# Allegro board HY_MPMB_2S12_RZ_V10A.brd (continued)
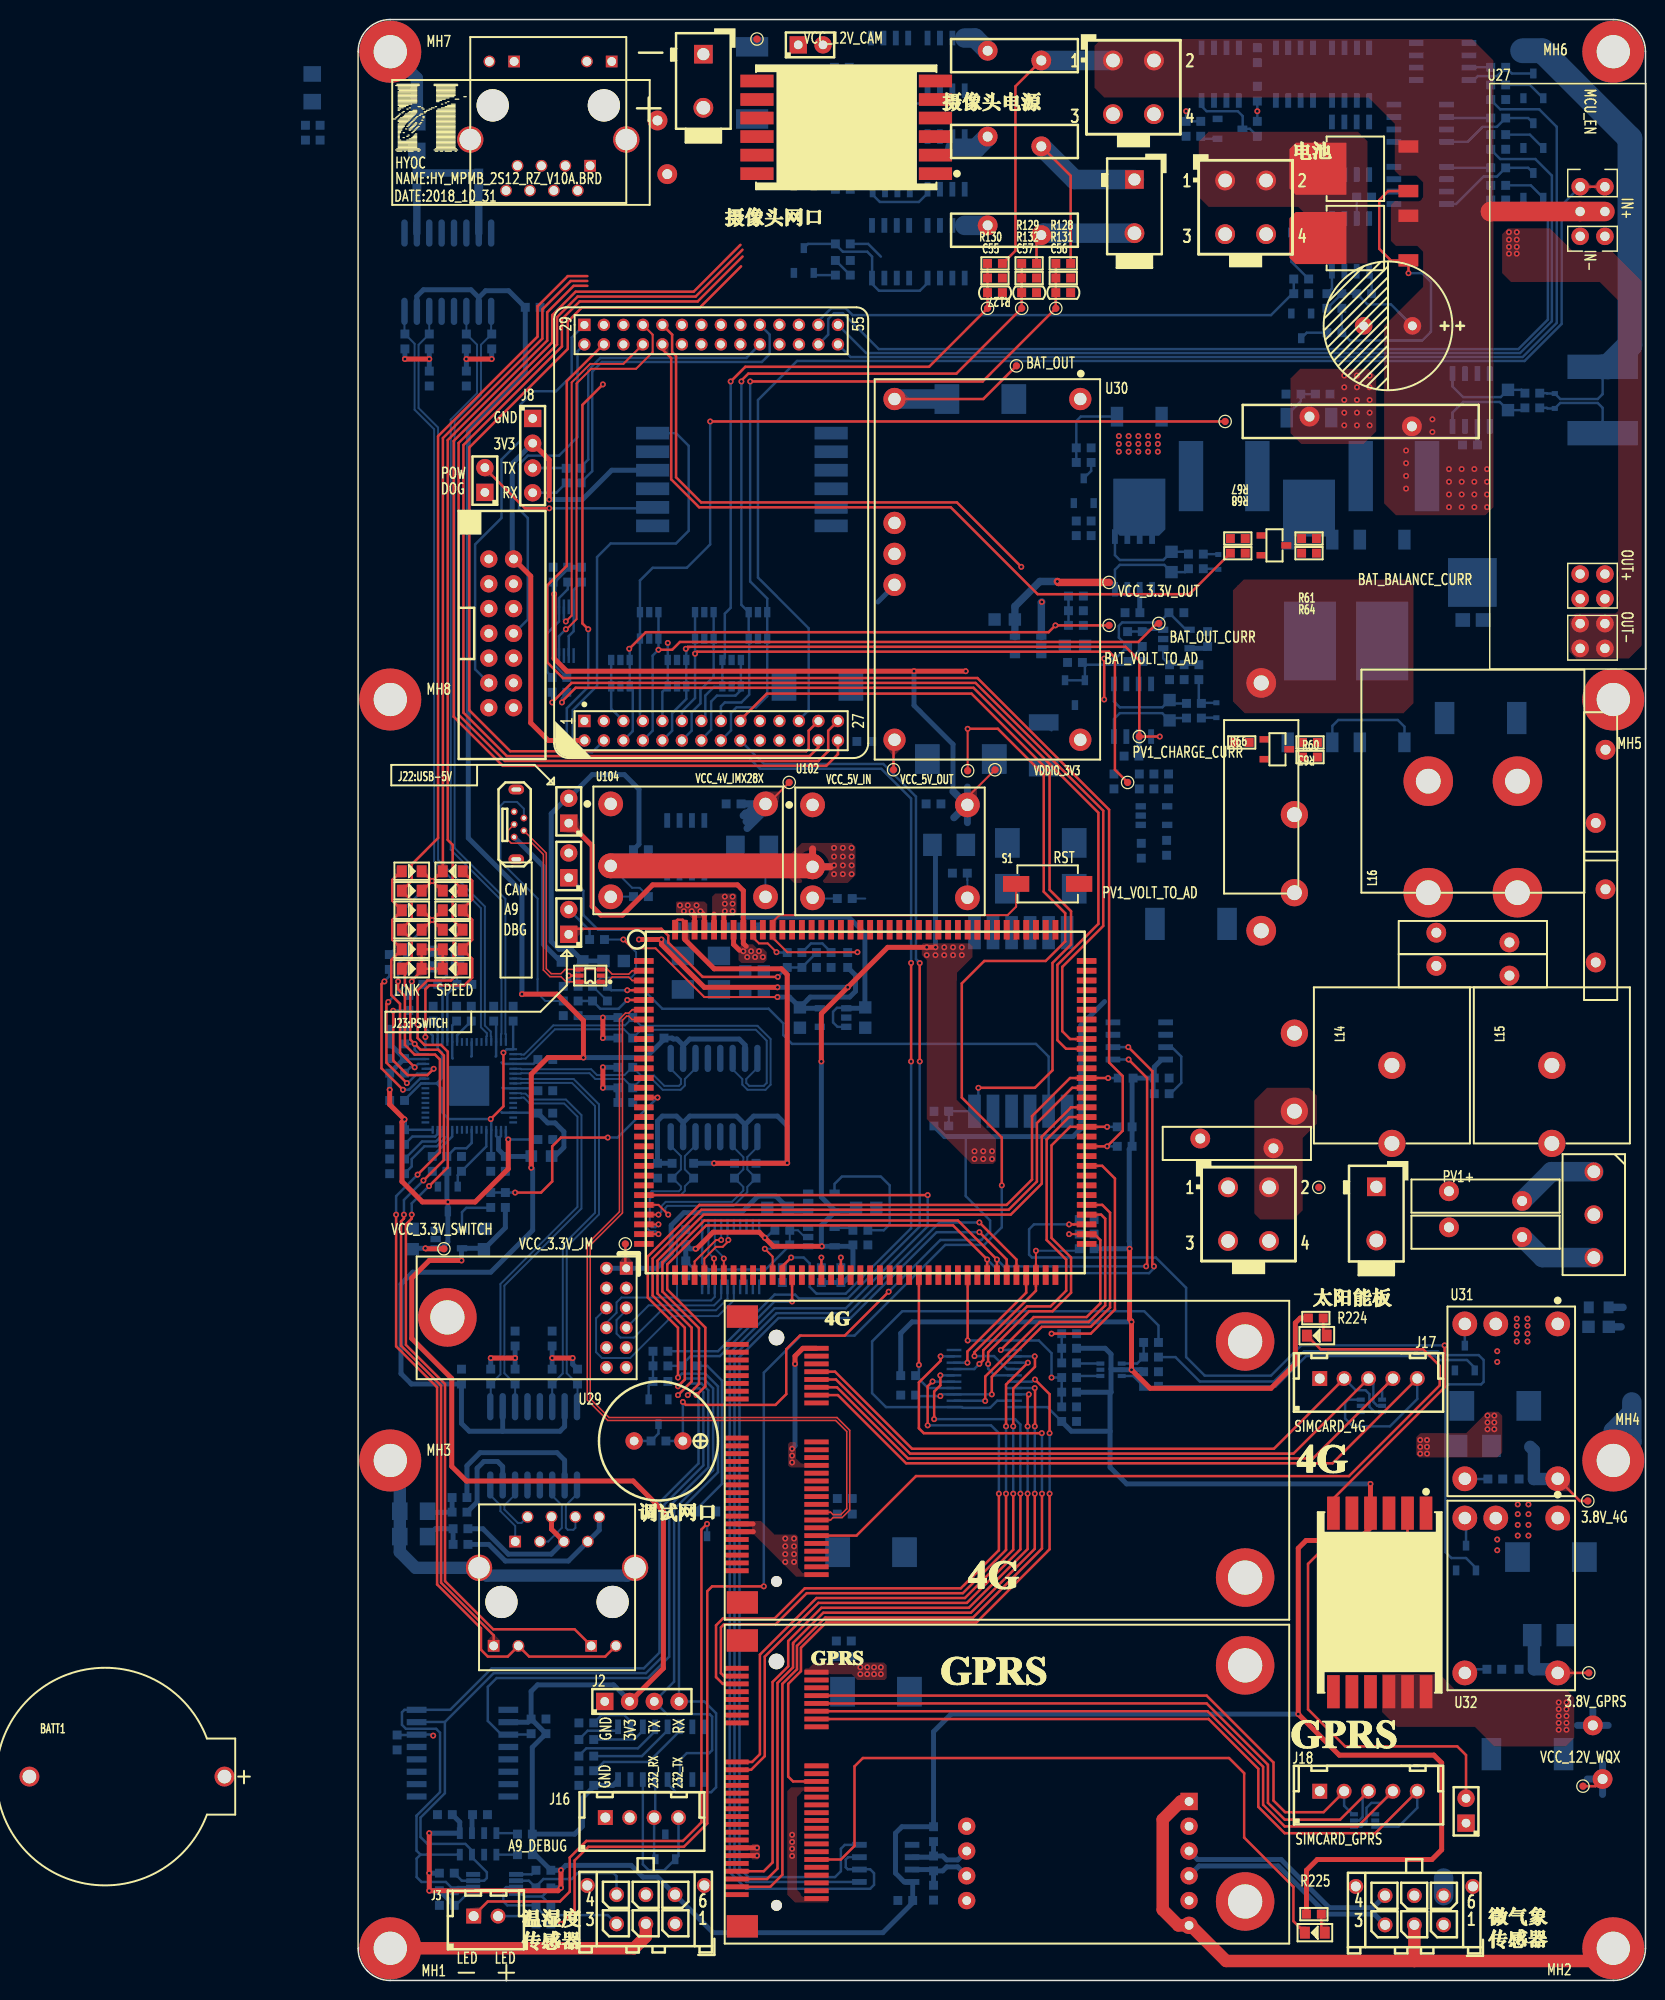
[diagram p0: board, top side]
## Routing (per net, layer and track width the routed paths; a pad name or vN(x,y) marks a point on that pad's centre or on a via; arc(x,y) is an arc through that point) (continued)
ENET0_TXN0: length 19.7
  TOP w0.203: U96.26 30.8,79.5 v1(31.8,78.5)
  BOTTOM w0.203: v1(31.8,78.5) 31.5,78.8 31.5,79.2 31.71,79.4 38.5,79.4 39.9,80.8 39.9,81.34 R213.1 39.91,83.13 39.91,84.4 40.95,85.44 T3.9
ENET0_TXP0: length 18.3
  TOP w0.203: v1(30.8,78.5) U96.27
  BOTTOM w0.203: T3.11 38.41,85.5 39.5,84.4 39.5,83.14 R212.1 39.5,81.34 39.5,80.97 38.33,79.81 31.54,79.81 31.1,79.37 31.1,78.8 v1(30.8,78.5)
GPRS_RESET#_A: length 66.7
  TOP w0.254: v1(70.9,56.1) 70.9,60.1 v1(69.4,61.6) ; U57.22 44.6,20.4 44.1,20.9 44.1,30.4 45.41,31.71 45.41,34.11 48,36.7 63.4,36.7 70.9,44.2 v1(70.9,49.9)
  BOTTOM w0.254: U8.16 69.08,61.38 69.3,61.6 v1(69.4,61.6) ; v1(70.9,49.9) v1(70.9,56.1)
GPRS_UIM_CLK: length 74.1
  TOP w0.254: U57.12 87.1,27.6 92.8,21.91 92.8,18.01 95.01,15.79 102.5,15.79 J18.4
  BOTTOM w0.254: J18.4 104.9,18.2 103.9,18.2 103.4,17.7 103.4,16.3 102.86,15.77 U5.4
GPRS_UIM_DATA: length 69
  TOP w0.254: U57.10 87,28.4 93.29,22.11 93.29,18.21 95.01,16.49 100.69,16.49 J18.3
  BOTTOM w0.254: U5.5 102.65,16.4 102.99,16.75 102.99,18.79 J18.3
GPRS_UIM_RST: length 77.3
  TOP w0.254: U57.14 87.2,26.8 92.3,21.7 92.3,17.8 95,15.1 104.3,15.1 J18.5
  BOTTOM w0.254: J18.5 108.6,17.7 106.67,15.77 U5.3
GPRS_UIM_VDD: length 65.1
  TOP w0.254: U57.8 87,29.2 93.86,22.34 93.86,18.44 95.04,17.26 99,17.26 101.1,19.36 J18.2
  BOTTOM w0.254: U5.6 101.97,17.04 101.1,17.9 J18.2
I2C_SCL: length 185.4
  TOP w0.254: v1(34.7,60) 35.6,60.9 35.6,66.93 31.7,70.83 31.7,73.4 35.7,77.4 61,77.4 v1(64.5,73.9) U96.63 ; v1(78.97,95.67) 81.44,93.2 81.44,73.36 v1(81.6,73.2)
  BOTTOM w0.254: v1(81.6,73.2) 81.6,73 81.1,72.5 65.9,72.5 v1(64.5,73.9) ; 6.4,12.9 U16.8 ; 6.4,12.9 6,12.5 6,10.6 6.5,10.1 9,10.1 9.86,9.24 R51.2 10.24,9.57 U17.2 ; 6.4,12.9 5.99,13.31 5.99,16.87 6,16.87 6,16.9 8.4,19.3 8.4,25.4 8,25.8 4.9,25.8 4.5,26.2 4.5,27.49 4.75,27.75 U99.16 9.45,27.75 13.7,32 29.3,32 30.9,33.6 30.9,49 34.9,53 34.9,59.8 v1(34.7,60) ; U19.2 v1(78.97,95.67)
I2C_SDA: length 179
  TOP w0.254: U96.64 v1(65.5,73.9) 61.5,77.9 35.5,77.9 31.2,73.6 31.2,70.62 34.95,66.87 34.95,61.15 v1(33.8,60) ; v1(80.8,73.2) 80.9,73.3 80.9,92.5 v1(79,94.4)
  BOTTOM w0.254: v1(33.8,60) 34.5,60.7 35,60.7 35.4,60.3 35.4,52.79 31.4,48.79 31.4,33.39 29.51,31.5 13.9,31.5 8.9,26.5 ; v1(65.5,73.9) 66.2,73.2 v1(80.8,73.2) ; 8.9,26.5 6.03,26.5 U99.15 ; 8.9,26.5 8.9,19.2 6.4,16.7 6.4,14.7 7.1,14 11,14 11.68,13.32 U16.7 11.68,12.62 13.2,11.1 13.2,10.5 12.93,10.22 U17.3 10.64,10.22 R50.2 ; v1(79,94.4) U19.1
JTAG_TEST: length 35.3
  BOTTOM w0.254: J9.8 15.98,138.08 17.4,139.5 17.4,149.9 16.5,150.8 16.5,155.4 17.4,156.3 20.6,156.3 22.5,158.2 22.5,167 U1.30
LED_CON: length 18.3
  TOP w0.254: v1(44.5,69.6) U96.43
  BOTTOM w0.254: R137.1 R99.1 33.24,63.14 34.1,64 37.1,64 42.7,69.6 v1(44.5,69.6)
MDIO: length 4.5
  BOTTOM w0.254: U15.40 11.65,85.85 11.1,85.3 9.94,85.3 R195.1
MISO_C3000_1_A: length 21.9
  BOTTOM w0.203: R3.2 32.7,76.06 32.7,70 ; 32.7,70 33,69.7 36.2,69.7 36.58,70.08 U51.18 ; 32.7,70 27,70 26.5,69.5 26.5,68.44 25.46,67.41 U4.8
MISO_C3000_1_B: length 5.2
  TOP w0.203: U96.35 v1(36.5,74)
  BOTTOM w0.203: 35.92,77.3 35.92,74.58 v1(36.5,74)
MODE_A_245_EN: length 53.8
  BOTTOM w0.254: R30.2 82.06,67.14 80.6,68.6 55.8,68.6 52.7,65.5 52.7,60.2 54.12,58.77 U8.1 61.92,58.77 62,58.7 64.8,58.7 65.53,59.42 67.3,59.42
MODE_A_CON: length 28.4
  TOP w0.254: v1(71.1,66.3) 75.12,66.3 77.6,68.78 77.6,82.2 76.3,83.5 U96.79
  BOTTOM w0.254: v1(71.1,66.3) R29.1 R33.2 R31.1
MODE_A_DTR_A: length 73.3
  TOP w0.254: v1(68.65,49.9) 68.65,44.22 62.63,38.2 47.5,38.2 44.1,34.8 44.1,32.2 42.5,30.6 42.5,12.1 41.6,11.2 U57.45 ; v1(68.78,60.08) 68.65,59.95 v1(68.65,56.8)
  BOTTOM w0.254: U8.18 v1(68.78,60.08) ; v1(68.65,49.9) v1(68.65,56.8)
MODE_A_DTR_B: length 32
  TOP w0.254: U96.74 76.19,78.5 76.6,78.09 76.6,69.19 74.91,67.5 69.9,67.5 64.3,61.9 v1(64.3,59.4)
  BOTTOM w0.254: 61.1,59.42 64.28,59.42 v1(64.3,59.4)
MODE_A_POWERON: length 63.3
  BOTTOM w0.254: R32.2 83.8,63.9 86.3,61.4 93.9,61.4 97,64.5 110.7,64.5 111.1,64.1 114.9,64.1 115.4,63.6 115.4,61.35 115.15,61.1 111.8,61.1 111.5,60.8 111.5,43.9 112.1,43.3 113.6,43.3 114.62,42.28 Q47.1
MODE_A_PWRKEY_A: length 75.8
  TOP w0.254: v1(69.38,56.8) 69.41,56.83 69.41,60.69 v1(69.38,60.73) ; v1(69.38,49.9) 69.38,44.25 62.84,37.7 47.7,37.7 44.6,34.6 44.6,34.47 44.59,34.47 44.59,32.09 43,30.5 43,11.47 41.93,10.4 U57.47
  BOTTOM w0.254: v1(69.38,49.9) v1(69.38,56.8) ; U8.17 v1(69.38,60.73)
MODE_A_PWRKEY_B: length 37.2
  TOP w0.254: v1(64.97,60.08) 64.97,61.88 70.1,67 75.11,67 77.1,68.99 77.1,78.7 76.3,79.5 U96.75
  BOTTOM w0.254: R22.2 57.26,59.9 v1(59.7,59.9) 59.88,60.08 U8.3 v1(64.97,60.08)
MODE_A_RESERVED1_A: length 24.6
  TOP w0.203: U96.72 v1(72.9,76.5)
  TOP w0.254: U96.72 75.5,76.5 76.1,75.9 76.1,69.4 74.7,68 69.28,68 v1(65.9,64.62)
  BOTTOM w0.203: v1(72.9,76.5) R360.2
  BOTTOM w0.254: U8.11 v1(65.9,64.62)
MODE_A_RESERVED1_B: length 92.9
  TOP w0.254: U57.49 42.26,9.6 43.5,10.84 43.5,30.4 45,31.9 45,34.3 47.9,37.2 63.04,37.2 70.12,44.28 v1(70.12,49.9) ; v1(59.73,63.98) 59.73,63.52 57.5,61.3 57.5,56.6 58,56.1 v1(70.1,56.1)
  BOTTOM w0.254: U8.9 v1(59.73,63.98) ; v1(70.1,56.1) 70.12,56.08 v1(70.12,49.9)
MODE_A_RESET#_B: length 14.9
  TOP w0.254: U96.56 v1(57.5,63.1)
  BOTTOM w0.254: v1(57.5,63.1) 57.5,62.34 R23.2 58.44,60.73 U8.4
MODE_B_CON: length 22.4
  TOP w0.254: U96.61 v1(62.5,65.6)
  BOTTOM w0.254: R24.1 R28.2 R26.1 v1(71.1,61.8) 71.1,64.3 69.8,65.6 v1(62.5,65.6)
MODE_B_POWERON: length 34.5
  BOTTOM w0.254: Q45.1 114.49,62.81 113.7,63.6 110.8,63.6 110.39,64.01 97.2,64.01 94.11,60.91 82.07,60.91 R27.2
MOSI_C3000_1_A: length 12.2
  BOTTOM w0.203: U51.17 37.23,69.92 36.5,69.2 29.79,69.2 U4.7
MOSI_C3000_1_B: length 5.4
  TOP w0.203: U96.36 v1(37.5,74)
  BOTTOM w0.203: v1(37.5,74) 37.5,74.1 36.58,75.03 U51.3
ODD: length 4.6
  BOTTOM w0.254: Q24.1 111.7,185.8 R116.2
OUT+: length 9.5
  BOTTOM w0.254: R159.2 127.6,161.2 127.11,161.69 123.26,161.69 D8.1 121.94,161.14 121.87,161.2 R110.2
OUT-:
  vias: v1(118,179.2) v1(118,178.44) v1(118,177.7) v1(118,177) v1(118.8,179.2) v1(118.8,178.44) v1(118.8,177.7) v1(118.8,177)
P5_MODE0: length 4.3
  BOTTOM w0.254: R197.1 5.56,86.5 7.9,86.5 8.15,86.75 U15.47
P5_MODE1: length 5.4
  BOTTOM w0.254: R198.1 6.56,86 7.99,86 8.65,86.66 U15.46
P5_MODE2: length 7.1
  BOTTOM w0.254: U15.45 9.15,86.59 8.06,85.5 6.8,85.5 5.5,84.2 5.5,83.44 R199.1
P5_MODE3: length 3.6
  BOTTOM w0.254: R200.1 9.65,86.51 U15.44
P6.6: length 14.5
  BOTTOM w0.254: U1.12 34.2,128.1 34.2,130 35.1,130.9 35.1,132.3 36.45,133.65 U107.4 U107.3
POW_DOG: length 19
  TOP w0.254: v1(19.6,150.9) 17.1,150.9 13,155 J10.2
  BOTTOM w0.254: U45.2 30.1,150.9 v1(19.6,150.9)
PRO_CON: length 18.1
  TOP w0.254: v1(76.5,131.3) v1(76.5,135.5)
  BOTTOM w0.254: U24.4 84.89,138.45 R85.1 82.14,139.2 78.35,139.2 78,138.85 78,137.64 R84.2 77.66,135.5 v1(76.5,135.5)
PSWITCH: length 4.9
  TOP w0.203: v1(42.9,105.4) 42,106.3 41.1,106.3 40.5,106.9 U96.132
  BOTTOM w0.254: R370.1 42.94,105.36 v1(42.9,105.4)
R0_LED: length 16.4
  TOP w0.254: v1(4.6,91.3) 2.4,93.5 2.4,102.15 2.65,102.4 v1(2.7,102.4)
  BOTTOM w0.254: v1(4.6,91.3) 5.2,91.3 5.25,91.35 5.26,91.35 6.36,92.45 U15.58 ; R203.1 3.2,102.94 2.7,102.44 v1(2.7,102.4)
R0_LED_K: length 83
  TOP w0.254: v1(7.6,112.7) 6.6,111.7 D23.2 ; v1(7.6,112.7) 8.6,113.7 D12.2 8.68,114.58 8.69,114.59 8.69,158.09 18.89,168.29 18.89,171.29 21.8,174.2 23.5,174.2 ; v1(7.6,112.7) 8.6,111.7 D17.2 ; v1(7.6,112.7) 6.6,113.7 D22.2
  BOTTOM w0.254: v1(7.6,112.7) 3.7,108.8 3.7,105.66 R203.2
R1_LED: length 15.7
  TOP w0.254: v1(3.1,100.3) 2.9,100.1 2.9,94.08 v1(5,91.98)
  BOTTOM w0.254: R202.1 4.8,103.34 4.8,102 v1(3.1,100.3) ; U15.59 6.05,92.95 5.1,92 5.02,92 v1(5,91.98)
R1_LED_K: length 106.2
  TOP w0.254: D19.2 8.6,107.7 v1(7.6,108.7) ; v1(4.1,102.4) 4.1,101.6 4.8,100.9 4.8,95.9 5.8,94.9 7.89,94.9 8.39,94.4 8.39,84.89 v1(6.1,82.6) ; D18.2 8.6,109.7 v1(7.6,108.7) ; v1(7.6,108.7) 6.6,109.7 D24.2 ; v1(7.6,108.7) 6.6,107.7 D25.2 ; J4.12 25.34,33.2 17.54,33.2 J4.10 15.34,33.2 13.3,33.2 12.6,33.9 12.6,36.1 8.1,40.6 8.1,60.8 3.9,65 v1(3.9,78.5)
  BOTTOM w0.254: v1(4.1,102.4) 4.1,104.2 5.06,105.16 R202.2 5.1,106.2 v1(7.6,108.7) ; v1(3.9,78.5) 3.9,80.4 v1(6.1,82.6)
R2_LED: length 12.6
  TOP w0.254: v1(7.75,93.45) 7.1,92.8 5.1,92.8 3.6,94.3 v1(3.6,99.4)
  BOTTOM w0.254: R201.1 3.64,99.44 v1(3.6,99.4) ; U15.60 v1(7.75,93.45)
R2_LED_K: length 11.6
  TOP w0.254: v1(5.5,102.4) 5.5,102.5 6.52,103.52 D27.2 ; D27.2 D21.2 D20.2 D26.2 D27.2
  BOTTOM w0.254: R201.2 5.5,101.26 v1(5.5,102.4)
RD#_485: length 133.5
  TOP w0.254: U96.25 v1(58.4,80.5)
  BOTTOM w0.254: U40.3 50.24,12.64 50,12.4 50,11.6 50.2,11.4 51.37,11.4 U40.2 51.43,11.4 52.5,11.4 52.9,11 52.9,9.8 52.5,9.4 39.8,9.4 38.1,11.1 38.1,64.3 42.7,68.9 50,68.9 58.4,77.3 v1(58.4,80.5)
RESETN: length 39.9
  TOP w0.203: S1.1 67.47,110.07 66.6,109.2 43.2,109.2 42.5,108.5 U96.130 42.5,106.9 44,105.4 v1(51.2,105.4)
  BOTTOM w0.203: v1(51.2,105.4) 50.24,105.4 R369.1
RESETN_SWITCH: length 7
  BOTTOM w0.254: U15.37 13.15,85.49 R196.2 10.22,82.55 U47.2
RXD1_485: length 103.8
  TOP w0.254: U96.66 67.5,73.9 v1(63.7,77.7)
  BOTTOM w0.254: v1(63.7,77.7) 59.61,77.7 50.31,68.4 42.9,68.4 38.6,64.1 38.6,11.31 39.81,10.1 U40.1
RXN1: length 78.6
  BOTTOM w0.203: T1.3 11.11,168.77 R9.1 12.19,167.67 12.19,162.69 9.49,159.99 9.49,115.91 14.7,110.7 14.7,97.03 14.65,96.98 U15.15
RXN2: length 38.1
  BOTTOM w0.203: T3.8 40.95,93.55 39.8,92.4 39.8,92 40.1,91.7 41.6,91.7 41.89,91.99 41.89,96.33 40.78,97.45 29.01,97.45 R209.2 27.27,97.49 20.18,97.49 17.19,94.5 16.73,94.5 16.68,94.45 U15.19
RXN3: length 41.5
  BOTTOM w0.203: T2.3 16.1,58.82 R215.1 15,62.24 15,71.23 22.9,79.13 22.9,88.7 21.3,90.3 17.76,90.3 17.16,90.9 16.73,90.9 16.68,90.95 U15.26
RXP1: length 78.7
  BOTTOM w0.203: T1.1 13.64,168.82 R11.1 12.6,167.66 12.6,162.53 9.9,159.83 9.9,116.07 15.1,110.87 15.1,97.03 15.15,96.98 U15.16
RXP2: length 40
  BOTTOM w0.203: U15.18 16.68,94.95 16.73,94.9 17.02,94.9 20.02,97.9 27.36,97.9 R207.2 29.01,97.85 40.95,97.85 42.3,96.5 42.3,91.83 41.77,91.29 39.93,91.29 39.39,91.83 39.39,92.4 38.41,93.39 T3.6
RXP3: length 40.8
  BOTTOM w0.203: U15.27 16.68,90.45 16.73,90.5 16.99,90.5 17.6,89.89 21.13,89.89 22.49,88.53 22.49,79.29 14.59,71.39 14.59,62.13 R214.1 13.6,58.86 T2.1
SCK_C3000_1_A: length 23.2
  BOTTOM w0.203: 38.52,71.1 38.52,69.72 36.9,68.1 32.2,68.1 27.91,63.81 24.99,63.81 24.4,64.4 24.4,67.87 U4.6
SCK_C3000_1_B: length 6.5
  TOP w0.203: v1(37.96,75.9) 37.96,75.77 37.39,75.2 36.7,75.2 35.5,74 U96.34
  BOTTOM w0.203: U51.5 37.88,75.99 v1(37.96,75.9)
SHT_DATA1: length 13.3
  BOTTOM w0.254: J19.4 26.5,10.7 26.2,11 22.5,11 21.9,10.4 19,10.4 18.24,9.64 R47.2 17.51,10.22 U17.6
SHT_SCK1: length 15.2
  BOTTOM w0.254: U17.7 15.18,9.57 14.9,9.3 14.9,8.1 15.3,7.7 R46.2 18.24,7.56 19.1,6.7 25.6,6.7 J19.3
SS_C3000_1_A: length 17.5
  BOTTOM w0.203: U4.5 27.5,68.7 26.5,67.7 26.5,66.3 26.9,65.9 28.3,65.9 31.1,68.7 36.7,68.7 37.88,69.88 U51.16
SS_C3000_1_B: length 6.4
  TOP w0.203: v1(37.23,75.9) 36.7,75.9 34.5,73.7 U96.33
  BOTTOM w0.203: U51.4 v1(37.23,75.9)
SYS_RESET#: length 43.3
  BOTTOM w0.254: J9.11 12,134.4 12,147.2 14.7,149.9 14.7,155.9 16.6,157.8 16.6,161.5 18,162.9 20.3,162.9 21.9,164.5 21.9,168.4 U1.29
TO_IMX283_IRQ: length 137.8
  TOP w0.254: U96.81 v1(76.8,85.5) 78.4,87.1 78.4,92.7 77,94.1 77,120 63.5,133.5 21,133.5 19.4,135.1 19.4,143 21.4,145 21.4,163.94 25.16,167.7 U1.32
  BOTTOM w0.254: R361.1 v1(76.8,85.5)
TXD1_485: length 103.2
  TOP w0.254: U96.65 66.5,73.9 v1(63.7,76.7)
  BOTTOM w0.254: U40.4 51.39,13.9 49.9,13.9 49.5,13.5 49.5,11.2 48.9,10.6 40.01,10.6 39.1,11.51 39.1,63.9 43.1,67.9 50.51,67.9 59.31,76.7 v1(63.7,76.7)
TXN: length 1.1
  BOTTOM w0.203: T1.14 11.11,177.99
TXN1: length 78.4
  BOTTOM w0.203: 4.75,171.09 4.75,168.81 R16.1 5.79,167.77 5.79,161.01 7.79,159.01 7.79,114.71 12.59,109.91 12.59,97.71 13.2,97.1 13.2,96.8 13.15,96.75 U15.12
TXN2: length 22.4
  BOTTOM w0.203: U15.22 16.68,92.95 16.73,93 23.73,93 24.33,92.4 27.26,92.4 R206.2 29.01,92.35 30.18,92.35 31.23,91.29 33.07,91.29 33.51,91.73 33.51,92.4 34.59,93.49 T3.3
TXN3: length 42.7
  BOTTOM w0.203: U15.23 16.68,92.45 16.73,92.4 22.1,92.4 24.7,89.8 24.7,78.53 21.39,75.22 21.39,62.25 R217.1 22.5,58.87 T2.8
TXP: length 1
  BOTTOM w0.203: T1.16 13.64,178.15
TXP1: length 78.4
  BOTTOM w0.203: 7.29,171.09 7.29,168.77 R13.1 6.2,167.66 6.2,161.17 8.2,159.17 8.2,114.87 13,110.07 13,97.87 13.61,97.27 13.61,96.79 13.65,96.75 U15.13
TXP2: length 21.7
  BOTTOM w0.203: T3.1 32.05,93.44 33.1,92.4 33.1,91.9 32.9,91.7 31.4,91.7 30.35,92.75 29.01,92.75 R204.2 28.1,93.6 27.31,92.81 24.49,92.81 23.9,93.4 16.73,93.4 16.68,93.45 U15.21
TXP3: length 42
  BOTTOM w0.203: U15.24 16.68,91.95 16.73,92 21.93,92 24.29,89.63 24.29,78.69 20.98,75.38 20.98,62.22 R216.1 19.9,58.82 T2.6
UCA0_RXD: length 34.2
  BOTTOM w0.254: R134.1 22.86,153.56 24.01,154.71 24.01,164.91 25,165.9 41.4,165.9 42.2,166.7 42.2,168.7 U1.47
UCA0_TXD: length 29.1
  BOTTOM w0.254: R133.1 22.86,155.16 23.6,155.9 23.6,165.07 24.83,166.31 39.81,166.31 U1.48
UCA1_RXD: length 41
  TOP w0.203: v1(21.3,138.5) 21.36,138.5 22.4,139.54 22.4,163.7 23.9,165.2 28.5,165.2 30.2,166.9 30.2,168.7 U1.35
  BOTTOM w0.254: v1(21.3,138.5) 20.6,137.8 U49.9
UCA1_TXD: length 35.2
  TOP w0.203: U1.36 27.2,165.7 23.8,165.7 21.9,163.8 21.9,139.9 v1(21.3,139.3)
  BOTTOM w0.254: v1(21.3,139.3) 21.1,139.5 U49.3
USB_0_DM: length 25.8
  TOP w0.152: U96.2 28.1,103.5 27.75,103.15 26.05,103.15 25.57,103.64 U105.3 U105.4 21.23,103.64 20.8,103.2 19.8,103.2 19.3,103.7 19.3,115.55 USB1.2
USB_0_DP: length 29.1
  TOP w0.152: U96.3 28.1,102.5 27.75,102.85 26.05,102.85 25.57,102.36 U105.1 U105.6 21.33,102.36 20.8,102.9 19.67,102.9 19,103.57 19,115.42 17.85,116.57 15.7,116.57 15.37,116.9 15.37,117.87 USB1.3
USB_0_ID: length 7.4
  TOP w0.254: v1(27.6,100.5) U96.5
  BOTTOM w0.254: v1(27.6,100.5) 26.7,99.6 24.84,99.6 R351.2 R376.1
USB_0_OC: length 3.9
  TOP w0.254: U96.4 v1(27.6,101.5)
  BOTTOM w0.254: v1(27.6,101.5) 25.96,101.5 R350.2
USB_1_DM: length 82.6
  TOP w0.152: U56.36 48.45,48 48.7,47.75 49.5,47.75 50.1,48.35 50.1,56.27 48.97,57.4 25.6,57.4 23.5,59.5 23.5,75.5 26.8,78.8 26.8,98.55 27.41,99.15 27.75,99.15 28.1,99.5 U96.6
USB_1_DP: length 82.6
  TOP w0.152: U56.38 48.45,47.2 48.7,47.45 49.63,47.45 50.4,48.23 50.4,56.4 49.1,57.7 25.73,57.7 23.8,59.63 23.8,75.37 27.1,78.67 27.1,98.42 27.53,98.85 27.75,98.85 28.1,98.5 U96.7
WORK_CURR: length 6.8
  BOTTOM w0.254: U52.1 U52.6 25.95,130.35 U1.5
WQX_A: length 23
  BOTTOM w0.508: J20.4 104.06,7.46 99.57,7.46 94.63,12.4 86.07,12.4 U39.3
WQX_B: length 23
  BOTTOM w0.508: J20.3 104.2,6.8 99.3,6.8 94.36,11.74 86.21,11.74 U39.4
XTAL_IN: length 10.5
  BOTTOM w0.254: U14.1 8.1,105.4 8.3,105.4 9.1,104.6 9.1,103.04 C30.2 8.65,101.61 U15.3
XTAL_OUT: length 8.1
  BOTTOM w0.254: U15.4 9.15,101.11 C31.2 10.14,103.84 U14.3
N16998679: length 2.5
  BOTTOM w0.254: R26.2 73.83,61.97 U10.1
N16998681: length 2.7
  BOTTOM w0.254: U10.6 79.47,61.97 R27.1
N17011408: length 2.2
  BOTTOM w0.254: U17.5 17.81,10.88 R52.2
N17011416: length 2.2
  BOTTOM w0.254: R48.2 16.24,15.1 U16.4
N17011435: length 28
  TOP w1.27: MH1.1 28.3,3.3 29.5,4.5 J19.2
N17013060: length 1.6
  BOTTOM w0.254: R55.2 86.5,129.44 D1.1
N17013138: length 11.2
  BOTTOM w0.254: Q1.1 99.9,126.93 99.9,128.6 100.5,129.2 106.6,129.2 107.29,128.51 Q59.1
N17013932: length 3.7
  BOTTOM w0.254: U24.3 80.59,138.45 R86.2 R84.1
N17013957: length 5
  BOTTOM w0.254: R87.2 R88.2 C49.1 82.55,135.52 U24.1
N17018765: length 1.6
  BOTTOM w0.254: R90.2 88.14,144.7 D7.1
N17019589: length 2.4
  BOTTOM w0.254: Q15.1 46.95,192.9 R102.2
N17021288: length 56.1
  BOTTOM w0.254: Q14.3 113.94,196.1 R101.2 ; Q19.2 111.7,190.9 R108.2 ; R159.1 127.6,162.6 127.1,162.1 123.26,162.1 D8.2 121.91,162.66 121.87,162.7 R109.2
  BOTTOM w2.54: 119.4,197.8 121.4,197.8 130.4,188.8 130.4,167.64 128.16,165.4 R159.1
N17031678: length 3.5
  BOTTOM w0.254: R133.2 21.31,155.03 J8.3
N17031687: length 3.9
  BOTTOM w0.254: R134.2 20.33,152.49 J8.4
N17032579: length 3.8
  BOTTOM w0.254: Q11.3 30.8,56.06 R136.2 U29.2
N17032586: length 5.1
  BOTTOM w0.254: R138.2 R137.2 R139.2 29.78,60.95 Q11.1
N17035371: length 5
  BOTTOM w0.254: R100.2 53.3,196.1 53.6,195.8 53.9,195.8 53.9,194.5
N17035611: length 2.9
  BOTTOM w2: Q12.8 63.25,199.1 F5.2
N17035825: length 16.3
  BOTTOM w0.254: Q15.3 45.93,196.1 R100.1 48.84,195.96 49.5,195.3 51.99,195.3 52.59,194.7 Q13.4 52.59,193.21 53.4,192.4 57.6,192.4 58.39,193.19 Q12.4
N17036093: length 3.8
  BOTTOM w2: F9.2 63.35,187.8 61.2,187.8
N17036097: length 3.7
  BOTTOM w0.254: R107.2 52.7,186.8 53.7,185.8
N17036141: length 16.9
  BOTTOM w0.254: Q17.4 58.39,183.19 57.5,182.3 53.5,182.3 52.76,183.04 Q18.4 52.76,185.44 52.2,186 49.7,186 48.94,186.76 R107.1 46.03,186.8 Q20.3
N17036173: length 2.4
  BOTTOM w0.254: R111.2 46.97,183.6 46.72,183.85 Q20.1
N17036537: length 2.3
  BOTTOM w2: Q22.8 F6.2
N17036541: length 3.7
  BOTTOM w0.254: R115.2 52.3,178 53.6,176.7
N17036587: length 17.4
  BOTTOM w0.254: Q22.4 58.39,173.99 57.6,173.2 53.4,173.2 52.69,173.91 Q23.4 52.7,174.51 52.7,176.7 52.2,177.2 49.7,177.2 48.94,177.96 R115.1 46.13,178 Q25.3
N17036619: length 2.3
  BOTTOM w0.254: R117.2 46.95,174.8 Q25.1
N17037112: length 8.4
  BOTTOM w0.254: R121.1 91.44,189.8 Q30.3 90.7,189.83 90.7,191.1 90.2,191.6 87,191.6 86.49,192.11 Q28.4
N17037144: length 1.8
  BOTTOM w0.254: Q30.1 86.65,188.78 R123.2
N17038253: length 7.4
  BOTTOM w0.254: Q14.4 114.39,194.79 114.8,195.2 116.76,195.2 R101.1 118.29,195.47 Q16.3
N17038287: length 4.4
  BOTTOM w0.254: Q16.1 120.15,194.3 R103.2
N17038562: length 10.1
  BOTTOM w0.254: Q19.4 113.76,188.46 115.3,190 116.76,190 R108.1 119.97,190.9 Q21.3
N17038596: length 4.4
  BOTTOM w0.254: R112.2 120.15,189.2 Q21.1
N17039179: length 10.7
  BOTTOM w0.254: Q24.4 112.59,182.09 115.4,184.9 116.76,184.9 R116.1 119.97,185.8 Q26.3
N17039213: length 4.4
  BOTTOM w0.254: R118.2 120.25,184 Q26.1
N17039909: length 2.4
  BOTTOM w0.254: Q29.1 103.92,174.95 R219.2
N17039913: length 2.2
  BOTTOM w0.254: R169.1 Q29.7
N17039939: length 6.5
  BOTTOM w0.254: Q31.3 98.87,176.63 99.85,175.65 Q29.4 99.85,173.41 R122.1
N17039975: length 5.5
  BOTTOM w0.254: R124.2 95.68,176.18 Q31.1
N17043332: length 9.6
  BOTTOM w0.254: R109.1 119.3,163.04 C53.1 117.16,162.3 113.3,162.3 112.22,163.38 U26.1
N17043356: length 9.7
  BOTTOM w0.254: U26.8 112.22,160.72 113.3,161.8 117.06,161.8 C53.2 119.4,160.96 R110.1
N17052002: length 9.9
  BOTTOM w0.254: U20.1 77.5,131.1 78.1,130.5 82.46,130.5 C41.1 83.54,130.9 R56.1
N17052006: length 9.9
  BOTTOM w0.254: R55.1 83.44,129.4 C41.2 82.46,129.9 78.1,129.9 77.5,129.3 U20.8
N17059984: length 10.2
  BOTTOM w0.254: R90.1 84.8,144.36 C51.2 82.66,145.1 78.1,145.1 77.6,144.6 U25.8
N17059986: length 10.1
  BOTTOM w0.254: U25.1 77.6,146.1 78.1,145.6 82.56,145.6 C51.1 84.9,146.44 R91.1
N17060967: length 8.6
  BOTTOM w0.254: R95.1 R94.1 73.64,159.84 74.1,160.3 77.8,160.3 Q9.1
N17060983: length 1.9
  BOTTOM w0.254: R95.2 75.16,154.73 Q10.3
N17066269: length 4
  BOTTOM w0.254: R30.1 R32.1 79.87,63.23 U10.4
N17066317: length 2.5
  BOTTOM w0.254: R31.2 73.73,63.23 U10.3
N17074743: length 2.4
  BOTTOM w0.254: R140.2 113.5,51.4 U31.4
N17079943: length 2.4
  BOTTOM w0.254: U32.4 113.85,31.9 R143.2
N17080334: length 2.2
  BOTTOM w0.254: Q45.3 U31.3
N17080394: length 2.9
  BOTTOM w0.254: U32.3 113.6,47.27 Q47.3
N17085538: length 5
  BOTTOM w0.254: U42.4 10.65,78.75 11.1,79.2 13.56,79.2 R157.2
N17092002: length 13.7
  BOTTOM w0.254: U35.4 48.85,81.65 49.6,82.4 53.6,82.4 54.5,81.5 54.5,77.5 53.9,76.9 R151.1
N17092088: length 2
  BOTTOM w0.254: R151.2 50.49,77.15 U36.4
N17093747: length 2.2
  BOTTOM w0.254: U16.5 R49.2
N17094203: length 1.9
  BOTTOM w0.508: U16.2 11.68,16.94 C37.1
N17094693: length 6.4
  BOTTOM w0.254: R53.2 83.3,90.9 84.4,92 84.4,94.7 83.4,95.7 82.83,95.7 U19.7
N17101856: length 17.6
  BOTTOM w0.254: Q56.1 34.76,48.36 37.31,50.91 37.31,61.49 35.8,63 R99.2
N17107895: length 10
  BOTTOM w0.508: R41.1 12.2,49.04 12.2,52.5 12.9,53.2 14.3,53.2 14.82,52.67 T2.15
N17107897: length 4.1
  BOTTOM w0.508: C33.2 7.22,48 R41.2 R44.2
N17107949: length 14.5
  TOP w0.508: J4.4 19.83,46.26 J4.5
  BOTTOM w0.508: J4.5 21.09,44.99 19.8,43.7 15.4,43.7 12.8,46.3 R42.1
N17107953: length 4.5
  BOTTOM w0.508: R43.2 R42.2 7.92,46.3 C34.2
N17108017: length 16.8
  BOTTOM w0.508: J4.8 24.73,46.17 J4.7 21.56,43 15.1,43 13.4,44.7 R43.1
N17108070: length 16.7
  BOTTOM w0.508: R44.1 11.16,52.76 12.5,54.1 20.4,54.1 21.18,53.33 T2.10
N17163116: length 65.3
  TOP w1.27: MH2.1 127.4,2 108.3,2 ; 108.3,2 89,2 85.35,5.65 U39.6 84.1,5.65 82.5,7.25 82.5,16.5 84.35,18.35 U39.1 ; 108.3,2 J20.2
N17203457: length 2.7
  BOTTOM w0.254: R185.2 10.15,96.89 U15.6
N17206531: length 6.7
  TOP w0.508: v1(25.1,91.5) v1(25.1,93.6)
  BOTTOM w0.508: v1(25.1,93.6) R204.1 ; v1(25.1,91.5) R206.1 C104.1
N17206608: length 7.8
  TOP w0.508: v1(25.1,96.6) v1(25.1,98.7)
  BOTTOM w0.508: C105.1 22.76,98.7 v1(25.1,98.7) R207.1 ; R209.1 v1(25.1,96.6)
N17207672: length 5.9
  TOP w0.508: v1(11.1,166.2) v1(13.7,166.2)
  BOTTOM w0.508: R9.2 v1(11.1,166.2) C112.1 ; v1(13.7,166.2) R11.2
N17207700: length 4.6
  BOTTOM w0.762: T1.15 R10.1
N17207702: length 8.7
  BOTTOM w0.762: R10.2 R15.2 C11.2
N17207828: length 5.8
  TOP w0.508: v1(7.3,166.2) v1(4.8,166.2)
  BOTTOM w0.508: v1(4.8,166.2) R16.2 ; C113.1 v1(7.3,166.2) R13.2
N17207862: length 4.6
  BOTTOM w0.762: T1.10 R15.1
N17207928: length 8.4
  BOTTOM w1.27: C11.1 6.03,194.97 MH7.1
N17213638: length 6
  TOP w0.508: v1(13.6,63.8) v1(16.1,63.8)
  BOTTOM w0.508: C115.1 v1(16.1,63.8) R215.2 ; R214.2 v1(13.6,63.8)
N17213788: length 5.8
  TOP w0.508: v1(19.9,63.8) v1(22,63.8)
  BOTTOM w0.508: C116.1 v1(19.9,63.8) R216.2 ; v1(22,63.8) 22,63.16 R217.2
N17217572: length 4.7
  BOTTOM w0.711: F4.1 126.6,27.73 ; F4.1 125.03,26.15 ; F4.1 128.18,26.15
  vias: v1(123.1,28.5) v1(123.1,27.8) v1(123.1,27.1) v1(123.1,26.4) v1(123.1,25.7) v1(123.9,28.5) v1(123.9,27.8) v1(123.9,27.1) v1(123.9,26.4) v1(123.9,25.7)
N17249875: length 51.2
  TOP w0.254: J15.2 113.6,23.1 112.7,24 101.2,24 97.4,27.8 97.4,42.7 98.8,44.1 106.1,44.1 107.6,45.6 U44.2
N17342413: length 87.2
  TOP w0.254: D30.2 98.68,64.7 109.2,64.7 110.9,63 110.9,61 101.6,51.7 57.2,51.7 51.1,45.6 U56.42
N17342415: length 1.9
  TOP w0.254: R224.2 98.96,66.45 D30.1
N17355602: length 72.5
  TOP w0.254: D31.2 95.9,6.08 95.9,9.6 90.85,14.65 90.85,21.25 89.3,22.8 51.75,22.8 50.9,21.95 50.9,13.8 49.5,12.4 U57.42
N17355630: length 2
  TOP w0.254: D31.1 98.76,5.25 R225.2
N17392005: length 38.2
  TOP w0.711: U102.2 48.43,114.15 ; U102.2 46.6,115.98 ; U102.2 44.77,114.15
  TOP w2.54: U104.2 46.5,114.25 U102.2
  BOTTOM w0.203: R367.1 28.86,112 28.1,112 25.9,114.2 U104.2 ; R368.1 52,110.9
  BOTTOM w0.711: U102.2 48.43,114.15 ; U102.2 46.6,115.98 ; U102.2 44.77,114.15
  vias: v1(48.8,116.1) v1(48.8,115.2) v1(48.8,114.3) v1(48.8,113.4) v1(49.7,116.1) v1(49.7,115.2) v1(49.7,114.3) v1(49.7,113.4) v1(50.6,116.1) v1(50.6,115.2) v1(50.6,114.3) v1(50.6,113.4)
N17392021: length 68
  BOTTOM w0.254: J21.1 21.77,113.03 23.1,111.7 23.1,109.2 24.6,107.7 28.9,107.7 29.5,107.1 29.5,101.3 31.2,99.6 42.1,99.6 43.6,98.1 43.6,96.9 44.5,96 69.5,96 70.8,94.7 U103.2
N17392087: length 2.5
  BOTTOM w0.203: U102.4 62.48,112.8 62.46,112.81 R141.1
N17395350: length 4.5
  BOTTOM w0.254: Q57.1 95.21,160.41 96.66,161.86 R227.1 R226.1
N17398149: length 13.6
  TOP w0.203: U104.5 42,120.6 TP29.1
  BOTTOM w0.762: 40.89,120.6 C129.1 ; 40.89,120.6 39.93,119.63 39.73,119.63 39.5,119.4 ; 40.89,120.6 41.6,120.6 ; 41.6,120.6 39.8,118.8 ; 41.6,120.6 U104.5 41.77,119.97 39.9,118.1
N17398191: length 2.5
  BOTTOM w0.203: 41.77,111.08 41.76,111.09 R228.1
N17403052: length 4
  BOTTOM w0.203: R230.2 R229.2 31.2,114.4 31.69,113.91 Q58.4
N17403727: length 8.1
  BOTTOM w0.254: U49.7 21.6,137.8 22.1,138.3 U49.5 22.1,142.54 R7.2
N17403744: length 5.8
  BOTTOM w0.254: U50.3 29.2,25.59 28.3,24.7 C6.2
N17403746: length 4.6
  BOTTOM w0.254: C6.1 23.54,25.6 26.4,25.6 26.66,25.86 U50.1
N17403750: length 10.9
  BOTTOM w0.254: C119.2 24.3,21.5 25.2,22.4 29.8,22.4 33.01,25.61 U50.6
N17403754: length 9
  BOTTOM w0.254: U50.5 31.73,25.64 29.1,23 C9.2
N17403756: length 9.3
  BOTTOM w0.254: C9.1 22.64,23.04 23.4,23.8 28.7,23.8 30.46,25.57 U50.4
N17409203: length 2.8
  TOP w0.254: v1(47.5,74.1) U96.46
  BOTTOM w0.254: R354.1 v1(47.5,74.1)
N17409205: length 2.8
  TOP w0.254: U96.48 v1(49.5,74.1)
  BOTTOM w0.254: R355.1 v1(49.5,74.1)
N17417679: length 91
  TOP w0.254: U96.92 73,96.5 72.2,97.3 72.2,103.89 76.4,108.09 76.4,119.91 63.31,133 21.9,133 v1(19.9,131)
  BOTTOM w0.254: R358.1 v1(19.9,131)
N17417698: length 90.6
  TOP w0.254: U96.91 72.59,95.5 71.7,96.39 71.7,104.1 75.9,108.3 75.9,119.7 63.1,132.5 22.3,132.5 20.9,131.1 v1(20.9,131)
  BOTTOM w0.254: R359.1 21.4,131.9 20.9,131.4 v1(20.9,131)
N17440156: length 2.3
  BOTTOM w0.203: R367.2 25.93,111.1 25.9,111.08
N17440195: length 2.6
  BOTTOM w0.203: R368.2 46.67,110.9 U102.3
N17442254: length 29.1
  TOP w0.254: v1(43.03,102.87) 35.33,102.87 31.8,106.4 31.8,107.1 31.1,107.8 22.17,107.8 J23.1
  BOTTOM w0.254: v1(43.03,102.87) R370.2 R373.1 47,105.34 R371.1
